# Altium PCB Audio-Beamformer_V1.0.PcbDoc (part 10 of 11)
Units mm, origin at the board's own origin, x right, y up, seen from the top; angles counter-clockwise.
Board outline 300 x 376 mm, 2 copper layers (Top Layer, Bottom Layer), stack 1.548 mm thick; 1137 components, 629 nets, 3569 pads, 2808 vias.
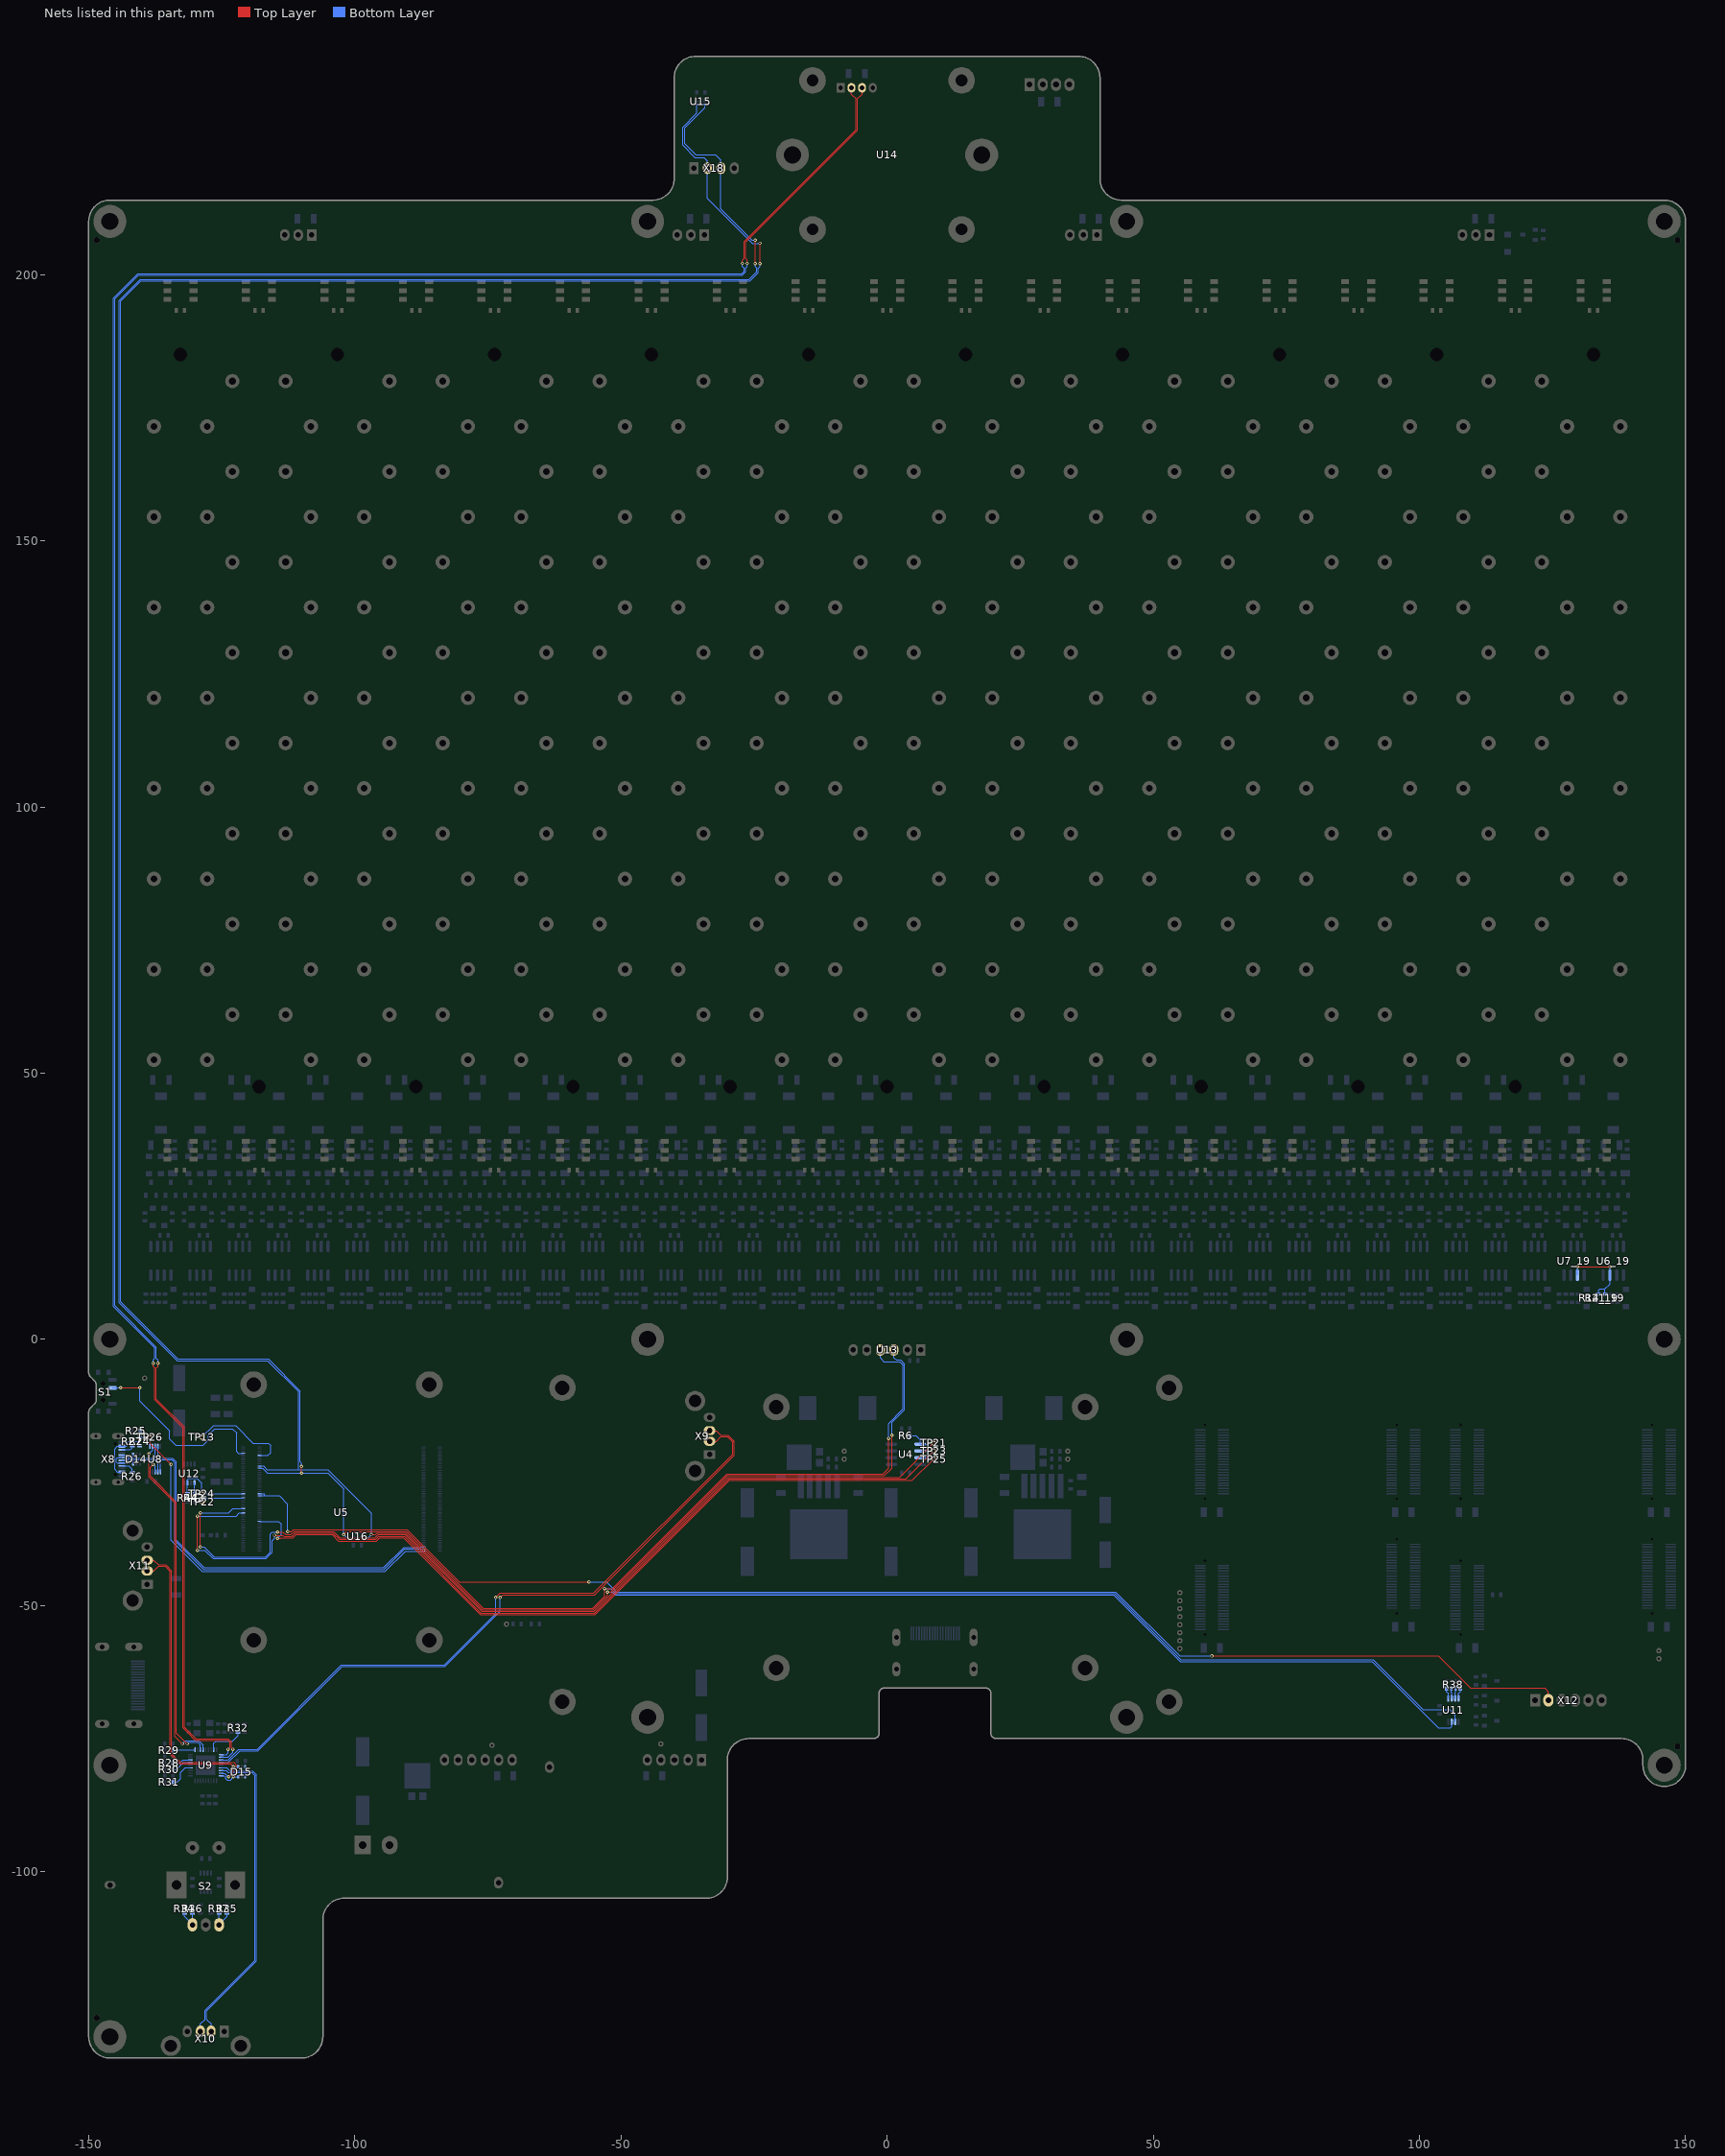
[diagram p10: the nets of this part, all layers, seen from the top]

## Via types
v1: diameter 0.62, hole 0.3, Top Layer to Bottom Layer, tented both sides, 2808 vias

## Nets (pads, with @x,y where several pads share a name; then routed paths per layer and width w, separated by ;. In a path a pad name is that pad's centre, name@x,y a point inside that pad or via, vN(x,y) a via of type N, cw(c..) or ccw(c..) an arc to the next point about the centre after c; other vN are vias at no path point) (continued)
NetR14_19_2: R14_19.2 R21_19.2 U6_19.3 U7_19.2 | length 15.2
  Top Layer w0.152: v1@129.692,13.633 v1(135.796,13.633)
  Bottom Layer w0.152: U7_19.2@129.698,12.051 v1@129.698,13.64 ; R14_19.2@133.65,8.512 133.65,9.244 133.906,9.5 134.881,9.5 135.803,10.421 U6_19.3@135.803,12.051 v1@135.803,13.633 ; R21_19.2@134.85,8.512 134.85,9.469
  other v1: 129.691,13.633
NetR24_2: R24.2 X8.A4B9 X8.B4A9 | length 11.5
  Bottom Layer w0.152: X8.A4B9@-143.8,-24.9 -144.6,-24.9 -145.1,-24.4 -145.1,-20.6 -144.6,-20.1 X8.B4A9@-143.8,-20.1 -142.9,-20.1 -142.7,-19.9 -142.7,-19.4 -142.5,-19.2 -140.6,-19.2 -140.4,-19.4 R24.2@-140.4,-19.962
NetR26_1: R26.1 X8.A5 | length 2.9
  Bottom Layer w0.152: X8.A5@-143.8,-23.75 -142.45,-23.75 -141.8,-24.4 R26.1@-141.8,-25.038
NetR27_1: R27.1 X8.B5 | length 2.6
  Bottom Layer w0.152: X8.B5@-143.8,-20.75 -142.15,-20.75 -141.819,-20.419 -141.819,-19.981 R27.1@-141.8,-19.962
NetR28_2: R28.2 U9.25 | length 3.5
  Bottom Layer w0.152: R28.2@-134.138,-79.6 -132.9,-79.6 -132.3,-79 U9.25@-130.9,-79
NetR29_2: R29.2 U9.28 | length 4.2
  Bottom Layer w0.152: R29.2@-134.138,-77.2 -133.2,-77.2 -133.1,-77.1 U9.28@-130,-77.1
NetR30_2: R30.2 U9.24 | length 3.8
  Bottom Layer w0.152: R30.2@-134.138,-80.8 -133.5,-80.8 -132.2,-79.5 U9.24@-130.9,-79.5
NetR31_2: R31.2 U9.22 | length 5
  Bottom Layer w0.152: R31.2@-134.138,-83.2 -133.4,-83.2 -132.7,-82.5 -132.7,-81.4 -131.8,-80.5 U9.22@-130.9,-80.5
NetR32_2: R32.2 U9.35 | length 7
  Bottom Layer w0.152: U9.35@-126.5,-77.1 -126.5,-75.9 -126.1,-75.5 -123,-75.5 -121.95,-74.45 R32.2@-121.95,-73.762
NetR34_1: R34.1 R36.2 S2.1 | length 5
  Bottom Layer w0.152: R34.1@-132,-107.762 -132,-108.4 S2.1@-130.5,-109.9 ; S2.1@-130.5,-110 S2.1@-130.5,-109.9 ; R36.2@-130.5,-107.762 S2.1@-130.5,-109.9
NetR35_1: R35.1 R37.2 S2.3 | length 5
  Bottom Layer w0.152: S2.3@-125.5,-110 S2.3@-125.5,-109.9 ; R37.2@-125.5,-107.762 S2.3@-125.5,-109.9 ; R35.1@-124,-107.762 -124,-108.4 S2.3@-125.5,-109.9
NetR38_5: R38.5 U11.4 | length 2
  Bottom Layer w0.152: U11.4@107.375,-67.45 107.375,-66.525 107.675,-66.225 R38.5@107.675,-65.6
NetR38_6: R38.6 U11.3 | length 1.9
  Bottom Layer w0.152: U11.3@106.725,-67.45 106.725,-66.375 106.8,-66.3 R38.6@106.8,-65.6
NetR38_7: R38.7 U11.2 | length 1.9
  Bottom Layer w0.152: R38.7@106,-65.6 106,-66.3 106.075,-66.375 U11.2@106.075,-67.45
NetR38_8: R38.8 U11.1 | length 2
  Bottom Layer w0.152: R38.8@105.125,-65.6 105.125,-66.225 105.425,-66.525 U11.1@105.425,-67.45
NetS1_2: S1.2 U5.93 | length 37.1
  Top Layer w0.152: v1(-144,-9.1) v1(-140.4,-9.1)
  Bottom Layer w0.152: S1.2@-145.5,-9.1 v1(-144,-9.1) ; v1(-140.4,-9.1) -140.4,-11.6 -134.8,-17.2 -134.8,-18.7 -133.6,-19.9 -128.5,-19.9 -127.5,-18.9 -127.5,-18 -126.3,-16.8 -123,-16.8 -122.2,-17.6 -122.2,-21.1 -121.9,-21.4 U5.93@-121,-21.4
NetTP13_1: TP13.1 U5.92 | length 19.1
  Bottom Layer w0.152: TP13.1@-128.75,-18.4 -126.55,-16.2 -122.4,-16.2 -119.1,-19.5 -116.2,-19.5 -115.8,-19.9 -115.8,-21.3 -116.3,-21.8 U5.92@-117.92,-21.8
NetU5_80: U5.80 U11.6 U13.4 U15.1 U16.1 X18.2 | length 753.2
  Top Layer w0.152: v1(-110,-25.1) v1(-110,-23.9) ; v1(-102.1,-36.7) -101.503,-36.103 -90.302,-36.103 -75.905,-50.5 -55.3,-50.5 -53.087,-48.287 v1(-53.087,-46.813) ; v1@-53.1,-46.8 -51.624,-46.8 -30.124,-25.3 -0.8,-25.3 0.3,-24.2 v1(0.3,-18.6) ; v1(-23.9,202.1) v1(-23.9,205.9)
  Bottom Layer w0.152: U5.80@-117.92,-24.2 -117.275,-24.2 -116.375,-25.1 v1(-110,-25.1) -105.066,-25.1 -102.1,-28.066 v1(-102.1,-36.7) -101.3,-37.5 U16.1@-100.24,-37.5 ; v1(-110,-23.9) -110,-23.3 -110.3,-23 -110.3,-9.676 -116.255,-3.721 -133.255,-3.721 -144,7.024 -144,195.01 -140.21,198.8 -25.776,198.8 -24.221,200.355 -24.221,201.179 -23.9,201.5 v1(-23.9,202.1) ; v1(-53.087,-46.813) -53.077,-46.802 -51.898,-46.802 -50.959,-47.741 42.736,-47.741 55.195,-60.2 91.295,-60.2 100.695,-69.6 105.7,-69.6 106.725,-70.625 U11.6@106.725,-71.85 ; U15.1@-35.74,232 -35.74,230.36 -38.4,227.7 -38.4,224.3 -36.1,222 -34.4,222 -33.77,221.37 X18.2@-33.77,220 -33.77,214.37 -25.3,205.9 v1(-23.9,205.9) ; U13.4@-1.27,-2 -1.27,-3.53 -0.6,-4.2 2.4,-4.2 3.021,-4.821 3.021,-13.079 0.3,-15.8 v1(0.3,-18.6)
NetU5_82: U5.82 U11.7 U13.3 U15.6 U16.6 X18.3 | length 747.5
  Top Layer w0.152: v1(-96.9,-36.7) -96.1,-36.7 -95.803,-36.403 -90.426,-36.403 -76.029,-50.8 -55.2,-50.8 -52.5,-48.1 v1(-52.5,-47.5) -51.9,-47.5 -30,-25.6 -0.5,-25.6 0.9,-24.2 v1(0.9,-18) ; v1(-24.8,202.1) v1(-24.8,206.5)
  Bottom Layer w0.152: U5.82@-117.92,-23.8 -117.175,-23.8 -116.475,-24.5 -110.6,-24.5 ; U16.6@-98.76,-37.5 -97.7,-37.5 v1@-96.945,-36.745 ; v1(-96.9,-36.7) -96.9,-32.7 -105.1,-24.5 -110.6,-24.5 ; v1(-52.5,-47.5) -51.6,-47.5 -51.079,-48.021 42.521,-48.021 55.05,-60.55 91.15,-60.55 103.6,-73 105.8,-73 106.075,-72.725 U11.7@106.075,-71.85 ; U15.6@-34.26,232 -34.26,231.34 -38,227.6 -38,224.6 -35.9,222.5 -32.2,222.5 -31.23,221.53 X18.3@-31.23,220 -31.23,212.33 -25.4,206.5 v1(-24.8,206.5) ; v1(-24.8,202.1) -24.8,201.5 -24.5,201.2 -24.5,200.5 -25.9,199.1 -140.334,199.1 -144.3,195.134 -144.3,6.9 -133.4,-4 -116.4,-4 -110.6,-9.8 -110.6,-24.5 ; v1(0.9,-18) 0.9,-15.595 3.3,-13.195 3.3,-4.7 2.5,-3.9 1.7,-3.9 1.27,-3.47 U13.3@1.27,-2
PWR_SW: U5.54 U5.56 X12.2 | length 263.6
  Top Layer w0.152: v1(-112.6,-36.1) -111.9,-36.1 -111.579,-35.779 -108.5,-35.779 -90.23,-35.779 -80.41,-45.6 v1(-56,-45.6) ; v1(61,-59.5) 103.6,-59.5 109.6,-65.5 123.55,-65.5 124.25,-66.2 X12.2@124.25,-67.8
  Bottom Layer w0.152: U5.54@-117.92,-29.4 -116.96,-29.4 ; U5.56@-117.92,-29 -117.049,-29 -116.96,-29.089 -116.96,-29.4 ; v1(-112.6,-36.1) -112.6,-31 -114.2,-29.4 -116.96,-29.4 ; v1(-56,-45.6) -52.695,-45.6 -50.833,-47.462 42.962,-47.462 55,-59.5 v1(61,-59.5)
SPI4_CE1: R6.1 TP21.1 U4.1 U5.41 | length 183.2
  Top Layer w0.152: v1(-129,-39) v1(-129,-32.6) ; v1(-114.5,-36.2) -113.5,-36.2 -113,-36.7 -112,-36.7 -111.38,-36.08 -104.02,-36.08 -102.8,-37.3 -96.2,-37.3 -95.603,-36.703 -90.55,-36.703 -76.153,-51.1 -55.073,-51.1 -29.873,-25.9 2.325,-25.9 TP21.1@8.75,-19.475
  Bottom Layer w0.152: v1(-129,-39) -128.3,-39 -126.421,-40.879 -116.784,-40.879 -115.9,-39.995 -115.9,-36.6 -115.5,-36.2 v1(-114.5,-36.2) ; v1(-129,-32.6) -123.72,-32.6 -122.92,-31.8 U5.41@-121,-31.8 ; R6.1@4.262,-18.1 5.4,-18.1 6.2,-18.9 U4.1@6.2,-19.695 7.555,-19.695 7.775,-19.475 TP21.1@8.75,-19.475
SPI4_MOSI: TP25.1 U4.3 U5.30 | length 152.3
  Top Layer w0.152: v1(-114.5,-37.4) -113.9,-37.4 -113.8,-37.3 -111.6,-37.3 -110.98,-36.68 -104.269,-36.68 -103.049,-37.9 -95.951,-37.9 -95.354,-37.303 -90.799,-37.303 -76.402,-51.7 -54.824,-51.7 -29.624,-26.5 4.725,-26.5 TP25.1@8.75,-22.475
  Bottom Layer w0.152: U5.30@-117.92,-34.2 -114.3,-34.2 -113.8,-34.7 -113.8,-36.7 v1(-114.5,-37.4) ; U4.3@6.2,-22.255 7.555,-22.255 7.775,-22.475 TP25.1@8.75,-22.475
SPI4_SCLK: TP23.1 U4.2 U5.37 | length 179.9
  Top Layer w0.152: v1(-129.6,-39.6) v1(-129.6,-33.2) ; v1(-115.1,-36.8) -113.5,-36.8 -113.3,-37 -111.8,-37 -111.18,-36.38 -104.144,-36.38 -102.924,-37.6 -96.076,-37.6 -95.479,-37.003 -90.675,-37.003 -76.278,-51.4 -54.949,-51.4 -29.749,-26.2 3.525,-26.2 TP23.1@8.75,-20.975
  Bottom Layer w0.152: v1(-129.6,-39.6) -128.2,-39.6 -126.641,-41.159 -116.669,-41.159 -115.5,-39.99 -115.5,-37.8 -115.1,-37.4 v1(-115.1,-36.8) ; v1(-129.6,-33.2) -122.3,-33.2 -121.7,-32.6 U5.37@-121,-32.6 ; U4.2@6.2,-20.965 8.74,-20.965 TP23.1@8.75,-20.975
SPI5_MOSI: R44.2 TP24.1 U5.55 U12.3 | length 15.6
  Bottom Layer w0.152: R44.2@-131.4,-29.038 -131.425,-29.013 -131.425,-27.6 U12.3@-131.425,-26.95 -131.425,-26.349 -131.176,-26.1 -129.7,-26.1 -128.75,-27.05 TP24.1@-128.75,-29 U5.55@-121,-29
SPI5_SCLK: R43.2 TP22.1 U5.51 U12.1 | length 12.4
  Bottom Layer w0.152: U12.1@-130.125,-26.95 -130.125,-29.575 -129.9,-29.8 -129.45,-29.8 TP22.1@-128.75,-30.5 -128.05,-29.8 U5.51@-121,-29.8
USB_ACC1_N: D15.6 U9.6 X10.2 | length 60.4
  Bottom Layer w0.152: X10.2@-127,-130.01 -127,-128.625 -127.875,-127.75 -127.875,-126.17 -118.521,-116.816 -118.521,-81.784 -119.195,-81.11 -120.6,-81.11 -123.49,-81.11 -124.1,-80.5 U9.6@-125.1,-80.5 ; -120.6,-81.1 D15.6@-120.6,-80.3
USB_ACC1_P: D15.1 U9.7 X10.3 | length 59.8
  Bottom Layer w0.152: X10.3@-129,-130.01 -129,-128.625 -128.154,-127.779 -128.154,-126.054 -118.8,-116.7 -118.8,-81.9 -119,-81.7 -119.31,-81.39 -120.6,-81.39 -123.81,-81.39 -124.2,-81 U9.7@-125.1,-81 ; D15.1@-120.6,-82.2 -120.6,-81.4
USB_ACC2_N: D15.4 U9.8 X11.2 | length 57.2
  Top Layer w0.152: X11.2@-139.01,-43.5 -137.75,-43.5 -136.89,-42.64 -135.655,-42.64 -134.679,-43.616 -134.679,-77.966 -132.866,-79.779 -123.321,-79.779 v1(-122.8,-80.3) -122.8,-81.3 v1(-123.7,-82.2)
  Bottom Layer w0.152: U9.8@-125.1,-81.5 -124.4,-81.5 v1(-123.7,-82.2) ; v1(-122.8,-80.3) D15.4@-121.9,-80.3
USB_ACC2_P: D15.3 U9.9 X11.3 | length 59.2
  Top Layer w0.152: X11.3@-139.01,-41.5 -137.75,-41.5 -136.89,-42.36 -135.54,-42.36 -134.4,-43.5 -134.4,-77.85 -132.75,-79.5 -122.75,-79.5 -122.25,-80 -122.25,-81.65 v1(-122.8,-82.2)
  Bottom Layer w0.152: U9.9@-125.1,-82 -124.5,-82 -124.3,-82.2 -124.3,-82.5 -124,-82.8 -123.4,-82.8 v1(-122.8,-82.2) D15.3@-121.9,-82.2
USB_CAM_N: U9.1 U14.2 | length 452.1
  Top Layer w0.152: v1(-137.9,-4.5) -137.9,-5.1 -137.579,-5.421 -137.579,-11.321 -132.279,-16.621 -132.279,-73.016 -131.398,-73.898 -129.995,-75.3 -123.89,-75.3 -123.49,-75.7 -123.49,-76.677 -123.8,-76.987 v1(-123.8,-77) ; v1(-27.179,202.121) -27.179,202.721 -26.879,203.021 -26.879,206.216 -5.85,227.245 -5.85,233.05 -6.7,233.9 U14.2@-6.7,235.1
  Bottom Layer w0.152: v1(-137.9,-4.5) -137.9,-3.9 -137.579,-3.579 -137.579,-1.616 -145.379,6.184 -145.379,195.581 -140.781,200.179 -27.321,200.179 -26.879,200.621 -26.879,201.221 -27.179,201.521 v1(-27.179,202.121) ; U9.1@-125.1,-78 -124.1,-78 -123.8,-77.7 v1(-123.8,-77)
USB_CAM_P: U9.2 U14.3 | length 453.2
  Top Layer w0.152: v1(-137,-4.5) -137,-5.1 -137.3,-5.4 -137.3,-11.205 -132,-16.505 -132,-72.9 -129.879,-75.021 -123.774,-75.021 -123.21,-75.584 -123.21,-76.677 -122.9,-76.987 v1(-122.9,-77) ; v1(-26.279,202.121) -26.279,202.721 -26.6,203.041 -26.6,206.1 -5.571,227.129 -5.571,233.029 -4.7,233.9 U14.3@-4.7,235.1
  Bottom Layer w0.152: v1(-137,-4.5) -137,-3.9 -137.3,-3.6 -137.3,-1.5 -145.1,6.3 -145.1,195.466 -140.666,199.9 -27.205,199.9 -26.6,200.505 -26.6,201.2 -26.279,201.521 v1(-26.279,202.121) ; U9.2@-125.1,-78.5 -123.8,-78.5 -122.9,-77.6 v1(-122.9,-77)
USB_N: U5.103 U8.6 | length 70.2
  Bottom Layer w0.152: U8.6@-136.5,-24.9 -136.5,-23 -136.14,-22.64 -134.36,-22.64 -133.8,-23.2 -133.8,-37.845 -128.445,-43.2 -94.505,-43.2 -90.645,-39.34 -87.86,-39.34 -87.8,-39.4 U5.103@-87.08,-39.4
USB_OTG: R24.1 R25.1 TP26.1 U5.101 U8.1 | length 77.2
  Top Layer w0.152: TP26.1@-138.5,-18.4 -138.5,-19.5 v1(-134.5,-23.5)
  Bottom Layer w0.152: R24.1@-140.4,-18.438 -140.338,-18.376 R25.1@-140.338,-17.2 ; R24.1@-140.338,-18.431 -138.569,-18.431 -138.5,-18.5 U8.1@-138.5,-20.1 ; v1(-134.5,-23.5) -134.5,-37.75 -128.65,-43.6 -94.3,-43.6 -90.5,-39.8 U5.101@-87.08,-39.8
USB_P: U5.105 U8.4 | length 70.7
  Bottom Layer w0.152: U8.4@-137,-20.1 -137,-22 -136.64,-22.36 -134.245,-22.36 -133.521,-23.084 -133.521,-37.729 -128.329,-42.921 -94.621,-42.921 -90.76,-39.06 -87.86,-39.06 -87.8,-39 U5.105@-87.08,-39
USB_TCH_N: U9.3 X9.2 | length 129.1
  Top Layer w0.152: v1(-73.5,-48.5) -72.7,-47.7 -55.095,-47.7 -29.029,-21.634 -29.029,-19.266 -30.005,-18.29 -31.24,-18.29 -32.1,-19.15 X9.2@-33.36,-19.15
  Bottom Layer w0.152: U9.3@-125.1,-79 -123.8,-79 -121.8,-77 -118.3,-77 -102.5,-61.2 -83.195,-61.2 -73.5,-51.505 v1(-73.5,-48.5)
USB_TCH_P: U9.4 X9.3 | length 129.8
  Top Layer w0.152: v1(-72.7,-48.5) -72.2,-48 -55.066,-48 -55.045,-47.979 -54.979,-47.979 -28.75,-21.75 -28.75,-19.15 -29.89,-18.01 -31.24,-18.01 -32.1,-17.15 X9.3@-33.36,-17.15
  Bottom Layer w0.152: U9.4@-125.1,-79.5 -123.8,-79.5 -121.579,-77.279 -118.184,-77.279 -102.384,-61.479 -83.079,-61.479 -72.7,-51.1 v1(-72.7,-48.5)
USBDN_N: D14.6 U8.7 X8.A7 X8.B7 | length 12.7
  Bottom Layer w0.152: X8.A7@-143.8,-22.25 -144.65,-22.25 -144.8,-22.4 -144.8,-23.1 -144.65,-23.25 X8.B7@-143.8,-23.25 -142.75,-23.25 -142.14,-22.64 -141.65,-22.64 ; D14.6@-141.65,-23.45 -141.65,-22.64 ; U8.7@-137,-24.9 -137,-23 -137.36,-22.64 -141.65,-22.64
USBDN_P: D14.1 U8.3 X8.A6 X8.B6 | length 11
  Bottom Layer w0.152: X8.A6@-143.8,-22.75 -142.75,-22.75 -142.36,-22.36 ; X8.B6@-143.8,-21.75 -142.971,-21.75 -142.36,-22.36 ; D14.1@-141.65,-21.55 -141.65,-22.36 ; U8.3@-137.5,-20.1 -137.5,-22 -137.86,-22.36 -141.65,-22.36 ; -142.36,-22.36 -141.65,-22.36
USBUP_N: U8.8 U9.30 | length 60.9
  Top Layer w0.152: v1(-137.9,-23.5) -138.402,-24.002 -138.402,-25.702 -133.521,-30.584 -133.521,-73.979 v1(-131.5,-76)
  Bottom Layer w0.152: v1(-137.9,-23.5) -137.5,-23.9 U8.8@-137.5,-24.9 ; v1(-131.5,-76) -131.477,-76 -131.177,-75.7 -129.5,-75.7 -129,-76.2 U9.30@-129,-77.1
USBUP_P: U8.2 U9.31 | length 64.2
  Top Layer w0.152: v1(-138.682,-21.5) -138.682,-25.818 -133.8,-30.7 -133.8,-74.6 v1(-132.4,-76)
  Bottom Layer w0.152: v1(-138.682,-21.5) -138,-20.818 U8.2@-138,-20.1 ; v1(-132.4,-76) -131.8,-75.4 -129.3,-75.4 -128.5,-76.2 U9.31@-128.5,-77.1
pads on no net: D14.3 D14.4 D14.5 D15.5 Designator22.NC Designator23.NC S1.1 S1.NC U2.9 U2.10 U2.11 U2.NC U5.3 U5.4 U5.5 U5.6 U5.9 U5.10 U5.11 U5.12 U5.15 U5.16 U5.17 U5.18 U5.19 U5.20 U5.24 U5.28 U5.34 U5.35 U5.36 U5.40 U5.45 U5.46 U5.47 U5.57 U5.58 U5.61 U5.62 U5.63 U5.64 U5.67 U5.68 U5.69 U5.70 U5.72 U5.73 U5.75 U5.76 U5.88 U5.89 U5.90 U5.91 U5.94 U5.95 U5.96 U5.97 U5.99 U5.102 U5.104 U5.106 U5.109 U5.110 U5.111 U5.112 U5.115 U5.116 U5.117 U5.118 U5.121 U5.122 U5.123 U5.124 U5.127 U5.128 U5.129 U5.130 U5.133 U5.134 U5.135 U5.136 U5.139 U5.140 U5.141 U5.142 U5.157 U5.159 U5.163 U5.165 U5.169 U5.171 U5.175 U5.177 U5.181 U5.183 U5.187 U5.189 U5.193 U5.194 U5.195 U5.196 U5.NC U9.12 U9.16 U9.18 U9.20 U12.2 U13.5 U13.6 U14.NC U15.3 U16.3 X2_1.7 X2_1.13 X2_1.15 X2_1.18 X2_1.19 X2_1.20 X2_1.21 X2_1.23 X2_1.24 X2_1.25 X2_1.26 X2_1.27 X2_1.28 X2_1.30 X2_1.31 X2_1.32 X2_1.33 X2_1.34 X2_1.36 X2_1.37 X2_1.38 X2_1.39 X2_1.40 X2_1.42 X2_1.43 X2_1.44 X2_1.45 X2_1.46 X2_1.48 X2_1.49 X2_1.NC X2_2.7 X2_2.13 X2_2.15 X2_2.18 X2_2.19 X2_2.20 X2_2.21 X2_2.23 X2_2.24 X2_2.25 X2_2.26 X2_2.27 X2_2.28 X2_2.30 X2_2.31 X2_2.32 X2_2.33 X2_2.34 X2_2.36 X2_2.37 X2_2.38 X2_2.39 X2_2.40 X2_2.42 X2_2.43 X2_2.44 X2_2.45 X2_2.46 X2_2.48 X2_2.49 X2_2.NC X3_1.2 X3_1.3 X3_1.5 X3_1.6 X3_1.7 X3_1.8 X3_1.9 X3_1.11 X3_1.12 X3_1.13 X3_1.14 X3_1.15 X3_1.17 X3_1.18 X3_1.19 X3_1.25 X3_1.26 X3_1.32 X3_1.38 X3_1.44 X3_1.NC X3_2.2 X3_2.3 X3_2.5 X3_2.6 X3_2.7 X3_2.8 X3_2.9 X3_2.11 X3_2.12 X3_2.13 X3_2.14 X3_2.15 X3_2.17 X3_2.18 X3_2.19 X3_2.25 X3_2.26 X3_2.32 X3_2.38 X3_2.44 X3_2.NC X4_1.2 X4_1.3 X4_1.5 X4_1.6 X4_1.7 X4_1.8 X4_1.9 X4_1.11 X4_1.12 X4_1.13 X4_1.14 X4_1.15 X4_1.17 X4_1.18 X4_1.19 X4_1.20 X4_1.21 X4_1.23 X4_1.24 X4_1.25 X4_1.26 X4_1.27 X4_1.28 X4_1.30 X4_1.31 X4_1.32 X4_1.33 X4_1.34 X4_1.36 X4_1.37 X4_1.38 X4_1.39 X4_1.40 X4_1.42 X4_1.43 X4_1.44 X4_1.45 X4_1.46 X4_1.48 X4_1.49 X4_1.NC X4_2.2 X4_2.3 X4_2.5 X4_2.6 X4_2.7 X4_2.8 X4_2.9 X4_2.11 X4_2.12 X4_2.13 X4_2.14 X4_2.15 X4_2.17 X4_2.18 X4_2.19 X4_2.20 X4_2.21 X4_2.23 X4_2.24 X4_2.25 X4_2.26 X4_2.27 X4_2.28 X4_2.30 X4_2.31 X4_2.32 X4_2.33 X4_2.34 X4_2.36 X4_2.37 X4_2.38 X4_2.39 X4_2.40 X4_2.42 X4_2.43 X4_2.44 X4_2.45 X4_2.46 X4_2.48 X4_2.49 X4_2.NC X5_1.2 X5_1.3 X5_1.5 X5_1.6 X5_1.7 X5_1.8 X5_1.9 X5_1.11 X5_1.12 X5_1.13 X5_1.14 X5_1.15 X5_1.17 X5_1.18 X5_1.19 X5_1.20 X5_1.21 X5_1.23 X5_1.24 X5_1.25 X5_1.26 X5_1.27 X5_1.28 X5_1.30 X5_1.31 X5_1.32 X5_1.33 X5_1.34 X5_1.36 X5_1.37 X5_1.38 X5_1.42 X5_1.43 X5_1.44 X5_1.45 X5_1.46 X5_1.48 X5_1.49 X5_1.NC X5_2.2 X5_2.3 X5_2.5 X5_2.6 X5_2.7 X5_2.8 X5_2.9 X5_2.11 X5_2.12 X5_2.13 X5_2.14 X5_2.15 X5_2.17 X5_2.18 X5_2.19 X5_2.20 X5_2.21 X5_2.23 X5_2.24 X5_2.25 X5_2.26 X5_2.27 X5_2.28 X5_2.30 X5_2.31 X5_2.32 X5_2.33 X5_2.34 X5_2.36 X5_2.37 X5_2.38 X5_2.42 X5_2.43 X5_2.44 X5_2.45 X5_2.46 X5_2.48 X5_2.49 X5_2.NC X6.14 X7.14 X8.A8 X8.B8 X8.NC X13.3 X14.3 X15.3 X16.3
copper on no net:
  other v1: -146,-133.3 -146.88,-133.125 -145.12,-133.125 -147.626,-132.626 -144.374,-132.626 -148.125,-131.88 -143.875,-131.88 -148.3,-131 -143.7,-131 -148.125,-130.12 -143.875,-130.12 -147.626,-129.374 -144.374,-129.374 -146.88,-128.875 -145.12,-128.875 -146,-128.7 -146,-82.3 146,-82.3 -146.88,-82.125 -145.12,-82.125 145.12,-82.125 146.88,-82.125 -147.626,-81.626 -144.374,-81.626 144.374,-81.626 147.626,-81.626 -148.125,-80.88 -143.875,-80.88 143.875,-80.88 148.125,-80.88 -148.3,-80 -143.7,-80 143.7,-80 148.3,-80 -148.125,-79.12 -143.875,-79.12 143.875,-79.12 148.125,-79.12 -147.626,-78.374 -144.374,-78.374 144.374,-78.374 147.626,-78.374 -146.88,-77.875 -145.12,-77.875 145.12,-77.875 146.88,-77.875 -146,-77.7 146,-77.7 -45,-73.3 45,-73.3 -45.88,-73.125 -44.12,-73.125 44.12,-73.125 45.88,-73.125 -46.626,-72.626 -43.374,-72.626 43.374,-72.626 46.626,-72.626 -47.125,-71.88 -42.875,-71.88 42.875,-71.88 47.125,-71.88 -47.3,-71 -42.7,-71 42.7,-71 47.3,-71 -47.125,-70.12 -42.875,-70.12 42.875,-70.12 47.125,-70.12 -61,-70 53,-70 -61.727,-69.855 -60.273,-69.855 52.273,-69.855 53.727,-69.855 -62.343,-69.444 -59.656,-69.444 51.657,-69.444 54.344,-69.444 -46.626,-69.374 -43.374,-69.374 43.374,-69.374 46.626,-69.374 -45.88,-68.875 -44.12,-68.875 44.12,-68.875 45.88,-68.875 -62.755,-68.827 -59.245,-68.827 51.245,-68.827 54.755,-68.827 -45,-68.7 45,-68.7 -62.9,-68.1 -59.1,-68.1 51.1,-68.1 54.9,-68.1 -62.755,-67.373 -59.245,-67.373 51.245,-67.373 54.755,-67.373 -62.344,-66.757 -59.656,-66.757 51.656,-66.757 54.344,-66.757 -61.727,-66.345 -60.273,-66.345 52.273,-66.345 53.727,-66.345 -61,-66.2 53,-66.2 -20.8,-63.625 37.2,-63.625 -21.527,-63.48 -20.073,-63.48 36.473,-63.48 37.927,-63.48 -22.143,-63.069 -19.456,-63.069 35.856,-63.069 38.544,-63.069 -22.555,-62.452 -19.045,-62.452 35.445,-62.452 38.955,-62.452 -22.7,-61.725 -18.9,-61.725 35.3,-61.725 39.1,-61.725 -22.555,-60.998 -19.045,-60.998 35.445,-60.998 38.955,-60.998 -22.144,-60.381 -19.456,-60.382 35.856,-60.381 38.543,-60.382 -21.527,-59.97 -20.073,-59.97 36.473,-59.97 37.927,-59.97 -20.8,-59.825 37.2,-59.825 -119,-58.4 -86,-58.4 -119.727,-58.255 -118.273,-58.255 -86.727,-58.255 -85.273,-58.255 -120.344,-57.844 -117.657,-57.844 -87.344,-57.844 -84.657,-57.844 -120.755,-57.227 -117.245,-57.227 -87.755,-57.227 -84.245,-57.227 -120.9,-56.5 -117.1,-56.5 -87.9,-56.5 -84.1,-56.5 -120.755,-55.773 -117.245,-55.773 -87.755,-55.773 -84.245,-55.773 -120.344,-55.157 -117.656,-55.157 -87.344,-55.157 -84.656,-55.157 -119.727,-54.745 -118.273,-54.745 -86.727,-54.745 -85.273,-54.745 -119,-54.6 -86,-54.6 -20.8,-14.625 37.2,-14.625 -21.527,-14.48 -20.073,-14.48 36.473,-14.48 37.927,-14.48 -22.143,-14.069 -19.456,-14.069 35.856,-14.069 38.544,-14.069 -22.555,-13.452 -19.045,-13.452 35.445,-13.452 38.955,-13.452 -22.7,-12.725 -18.9,-12.725 35.3,-12.725 39.1,-12.725 -22.555,-11.998 -19.045,-11.998 35.445,-11.998 38.955,-11.998 -22.144,-11.381 -19.456,-11.382 35.856,-11.381 38.543,-11.382 -61,-11 53,-11 -21.527,-10.97 -20.073,-10.97 36.473,-10.97 37.927,-10.97 -61.727,-10.855 -60.273,-10.855 52.273,-10.855 53.727,-10.855 -20.8,-10.825 37.2,-10.825 -62.343,-10.444 -59.656,-10.444 51.657,-10.444 54.344,-10.444 -119,-10.4 -86,-10.4 -119.727,-10.255 -118.273,-10.255 -86.727,-10.255 -85.273,-10.255 -120.344,-9.844 -117.657,-9.844 -87.344,-9.844 -84.657,-9.844 -62.755,-9.827 -59.245,-9.827 51.245,-9.827 54.755,-9.827 -120.755,-9.227 -117.245,-9.227 -87.755,-9.227 -84.245,-9.227 -62.9,-9.1 -59.1,-9.1 51.1,-9.1 54.9,-9.1 -120.9,-8.5 -117.1,-8.5 -87.9,-8.5 -84.1,-8.5 -62.755,-8.373 -59.245,-8.373 51.245,-8.373 54.755,-8.373 -120.755,-7.773 -117.245,-7.773 -87.755,-7.773 -84.245,-7.773 -62.344,-7.757 -59.656,-7.757 51.656,-7.757 54.344,-7.757 -61.727,-7.345 -60.273,-7.345 52.273,-7.345 53.727,-7.345 -61,-7.2 53,-7.2 -120.344,-7.157 -117.656,-7.157 -87.344,-7.157 -84.656,-7.157 -119.727,-6.745 -118.273,-6.745 -86.727,-6.745 -85.273,-6.745 -119,-6.6 -86,-6.6 -146,-2.3 -45,-2.3 45,-2.3 146,-2.3 -146.88,-2.125 -145.12,-2.125 -45.88,-2.125 -44.12,-2.125 44.12,-2.125 45.88,-2.125 145.12,-2.125 146.88,-2.125 -147.626,-1.626 -144.374,-1.626 -46.626,-1.626 -43.374,-1.626 43.374,-1.626 46.626,-1.626 144.374,-1.626 147.626,-1.626 -148.125,-0.88 -143.875,-0.88 -47.125,-0.88 -42.875,-0.88 42.875,-0.88 47.125,-0.88 143.875,-0.88 148.125,-0.88 -148.3,0 -143.7,0 -47.3,0 -42.7,0 42.7,0 47.3,0 143.7,0 148.3,0 -148.125,0.88 -143.875,0.88 -47.125,0.88 -42.875,0.88 42.875,0.88 47.125,0.88 143.875,0.88 148.125,0.88 -147.626,1.626 -144.374,1.626 -46.626,1.626 -43.374,1.626 43.374,1.626 46.626,1.626 144.374,1.626 147.626,1.626 -146.88,2.125 -145.12,2.125 -45.88,2.125 -44.12,2.125 44.12,2.125 45.88,2.125 145.12,2.125 146.88,2.125 -146,2.3 -45,2.3 45,2.3 146,2.3 -14,206.7 14,206.7 -14.9,206.941 -13.1,206.941 13.1,206.941 14.9,206.941 -15.559,207.6 -12.441,207.6 12.441,207.6 15.559,207.6 -146,207.7 -45,207.7 45,207.7 146,207.7 -146.88,207.875 -145.12,207.875 -45.88,207.875 -44.12,207.875 44.12,207.875 45.88,207.875 145.12,207.875 146.88,207.875 -147.626,208.374 -144.374,208.374 -46.626,208.374 -43.374,208.374 43.374,208.374 46.626,208.374 144.374,208.374 147.626,208.374 -15.8,208.5 -12.2,208.5 12.2,208.5 15.8,208.5 -148.125,209.12 -143.875,209.12 -47.125,209.12 -42.875,209.12 42.875,209.12 47.125,209.12 143.875,209.12 148.125,209.12 -15.559,209.4 -12.441,209.4 12.441,209.4 15.559,209.4 -148.3,210 -143.7,210 -47.3,210 -42.7,210 42.7,210 47.3,210 143.7,210 148.3,210 -14.9,210.059 -13.1,210.059 13.1,210.059 14.9,210.059 -14,210.3 14,210.3 -148.125,210.88 -143.875,210.88 -47.125,210.88 -42.875,210.88 42.875,210.88 47.125,210.88 143.875,210.88 148.125,210.88 -147.626,211.626 -144.374,211.626 -46.626,211.626 -43.374,211.626 43.374,211.626 46.626,211.626 144.374,211.626 147.626,211.626 -146.88,212.125 -145.12,212.125 -45.88,212.125 -44.12,212.125 44.12,212.125 45.88,212.125 145.12,212.125 146.88,212.125 -146,212.3 -45,212.3 45,212.3 146,212.3 -17.78,220.2 17.78,220.2 -18.66,220.375 -16.9,220.375 16.9,220.375 18.66,220.375 -19.406,220.874 -16.154,220.874 16.154,220.874 19.406,220.874 -19.905,221.62 -15.655,221.62 15.655,221.62 19.905,221.62 -20.08,222.5 -15.48,222.5 15.48,222.5 20.08,222.5 -19.905,223.38 -15.655,223.38 15.655,223.38 19.905,223.38 -19.406,224.126 -16.154,224.126 16.154,224.126 19.406,224.126 -18.66,224.625 -16.9,224.625 16.9,224.625 18.66,224.625 -17.78,224.8 17.78,224.8 -14,234.7 14,234.7 -14.9,234.941 -13.1,234.941 13.1,234.941 14.9,234.941 -15.559,235.6 -12.441,235.6 12.441,235.6 15.559,235.6 -15.8,236.5 -12.2,236.5 12.2,236.5 15.8,236.5 -15.559,237.4 -12.441,237.4 12.441,237.4 15.559,237.4 -14.9,238.059 -13.1,238.059 13.1,238.059 14.9,238.059 -14,238.3 14,238.3